# Altium PCB CRIB.PcbDoc (part 1 of 3) (continued)
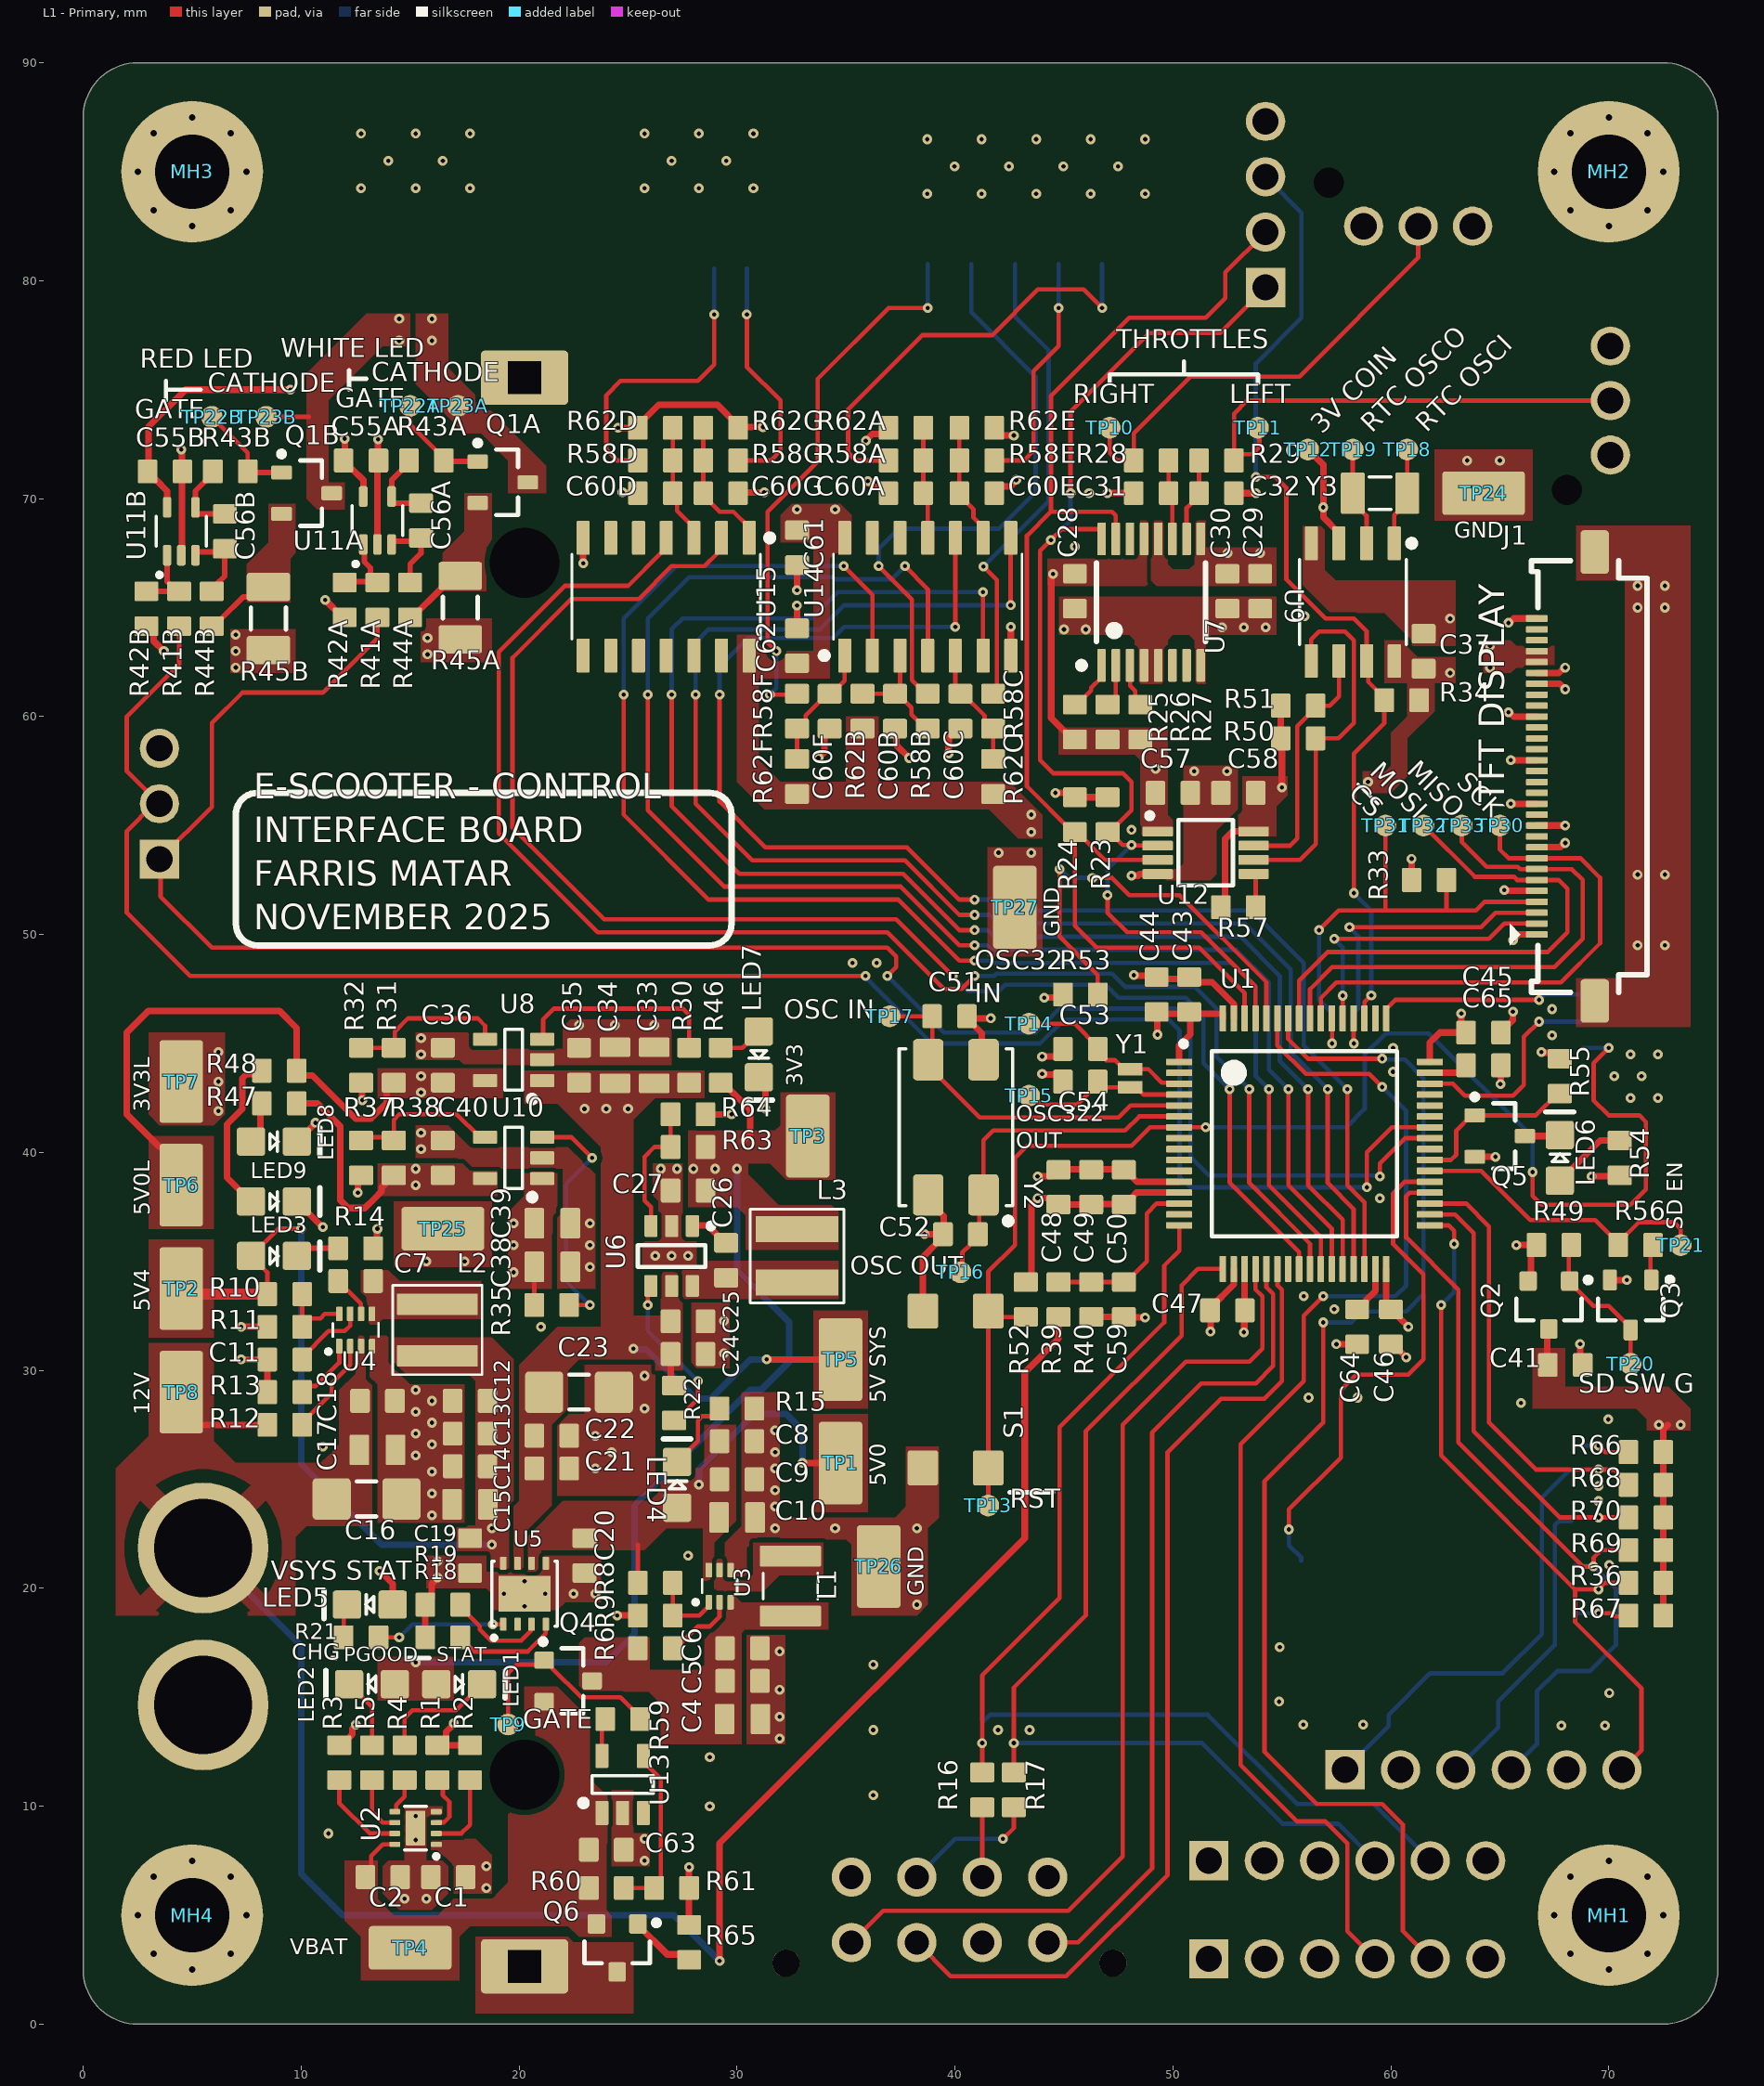
[diagram p0: L1 - Primary view]
## Components (designator, comment, footprint, x,y, rotation, side; value= is the part's Value field where it differs from the comment) (continued)
C59 "CAP_0.1uF_50V_0603" CAP0603 47.75,33.25 r90 top value=0.1μF
C60A "CAP_0.1uF_50V_0603" CAP0603 37.75,70.25 r0 top value=0.1μF (schematic designator C60)
C60B "CAP_0.1uF_50V_0603" CAP0603 37.25,60.25 r90 top value=0.1μF (schematic designator C60)
C60C "CAP_0.1uF_50V_0603" CAP0603 40.25,60.25 r90 top value=0.1μF (schematic designator C60)
C60D "CAP_0.1uF_50V_0603" CAP0603 26.25,70.25 r0 top value=0.1μF (schematic designator C60)
C60E "CAP_0.1uF_50V_0603" CAP0603 41,70.25 r180 top value=0.1μF (schematic designator C60)
C60F "CAP_0.1uF_50V_0603" CAP0603 34.25,60.25 r90 top value=0.1μF (schematic designator C60)
C60G "CAP_0.1uF_50V_0603" CAP0603 29.25,70.25 r180 top value=0.1μF (schematic designator C60)
C61 "CAP_0.1uF_50V_0603" CAP0603 32.75,67.75 r90 top value=0.1μF
C62 "CAP_0.1uF_50V_0603" CAP0603 32.75,63.25 r270 top value=0.1μF
C63 "CAP_0.1uF_50V_0603" CAP0603 24,8 r180 top value=0.1μF
C64 "CAP_2.2uF_25V_0603" CAP0603 58.45,32 r90 top value=2.2μF
C65 "CAP_2.2uF_25V_0603" CAP0603 64.25,44 r180 top value=2.2μF
J1 "CON_MOLEX-FFC_30P_RA" MOLEX_FFC_30P_RA 68.25,57.25 r90 top
J2 "CON_2POS_XT60" XT60 5.5,18.25 r270 bottom
J3 "0430450828" MOLEX-0430450828 39.75,5.25 r0 bottom
J4 "CON_JST_3POS" JST_XH_3POS 61.25,82.5 r180 bottom
J5 "CON_JST_3POS" JST_XH_3POS 70.075,74.5 r270 bottom
J6 "CON_2POS_CR1220" ATECH_COIN_12MM 62.75,58.75 r90 bottom
J7 "CON_MICROSD_MOLEX" MOLEX-5033981892 62.725,21.25 r90 bottom
J8 "CON_2POS_XT90" MPD_18650-PC2 20.25,39.25 r90 bottom
J9 "CON_4M_SM_RA" MOLEX-5025850470 15.25,85.25 r180 bottom
J11 "CON_MOLEX-PICO_5POS_RA" MOLEX-532610571 71,46 r270 bottom
J12 "CON_6M_SM_RA" MOLEX-5024940670 43.75,84.5 r0 bottom
J13 "CON_4M_SM_RA" MOLEX-5025850470 28.25,85.25 r180 bottom
J14 "HEADER 6x1" HDR1X6 58,3 r0 bottom
J15 "HEADER 4x1" HDR1X4 54.25,83.5 r90 bottom
J16 "HEADER 6x1" HDR1X6 64.25,11.675 r0 bottom
J18 "HEADER 6x1" HDR1X6 58,7.5 r0 bottom
J19 "HEADER 3x1" HDR1X3 3.5,56 r90 bottom
L1 "IND_2.2uH_5.4A" IND_1210 32.45,20.1 r90 top
L2 "IND_8.2uH_2.8A" IND_WURTH_1616 16.25,31.85 r270 top value=8.2μH
L3 "IND_5.6uH_5.1A" IND_WURTH_4040 32.75,35.25 r90 top
LED1 "LED_GREEN_0805" LED_0805_GREEN 17.25,15.6 r0 top
LED2 "LED_GREEN_0805" LED_0805_GREEN 13.25,15.6 r180 top
LED3 "LED_GREEN_0805" LED_0805_GREEN 8.75,35.25 r0 top
LED4 "LED_GREEN_0805" LED_0805_GREEN 27.25,24.75 r90 top
LED5 "LED_GREEN_0805" LED_0805_GREEN 13.15,19.25 r180 top
LED6 "LED_GREEN" LED_0805_GREEN 67.75,39.75 r90 top
LED7 "LED_GREEN" LED_0805_GREEN 31,44.5 r270 top
LED8 "LED_GREEN" LED_0805_GREEN 8.75,40.5 r0 top
LED9 "LED_GREEN" LED_0805_GREEN 8.75,37.75 r0 top
MH1 "MOUNTING_HOLE_M3" MOUNTING_HOLE_3mm 70,5 r0 top
MH2 "MOUNTING_HOLE_M3" MOUNTING_HOLE_3mm 70,85 r0 top
MH3 "MOUNTING_HOLE_M3" MOUNTING_HOLE_3mm 5,85 r0 top
MH4 "MOUNTING_HOLE_M3" MOUNTING_HOLE_3mm 5,5 r0 top
Q1A "NMOS_20V_6A" SOT23-3 19.25,70.75 r0 top (schematic designator Q1)
Q1B "NMOS_20V_6A" SOT23-3 10.25,70.25 r0 top (schematic designator Q1)
Q2 "PMOS_20V_3.6A" DIO-INC_SOT23 67.25,33 r270 top
Q3 "NMOS_20V_6A" SOT23-3 71,33 r270 top
Q4 "PMOS_12V_6A" DIO-INC_SOT23 22.25,15.75 r0 top
Q5 "NMOS_20V_6A" SOT23-3 65,40.75 r0 top
Q6 "PMOS_12V_6A" DIO-INC_SOT23 24.5,3.5 r270 top
R1 "RES_10kΩ_0603_1%" RES0603 16.25,12 r270 top value=10kΩ
R2 "RES_604Ω_0603_1%" RES0603 17.75,12 r270 top value=604Ω
R3 "RES_100kΩ_0603_1%" RES0603 11.75,12 r270 top value=100kΩ
R4 "RES_604Ω_0603_1%" RES0603 14.75,12 r90 top value=604Ω
R5 "RES_604Ω_0603_1%" RES0603 13.25,12 r90 top value=604Ω
R6 "RES_10kΩ_0603_1%" RES0603 26.25,17.25 r0 top value=10kΩ
R8 "RES_73.2kΩ_0603_1%" RES0603 26.25,20.25 r180 top value=73.2kΩ
R9 "RES_10kΩ_0603_1%" RES0603 26.25,18.75 r0 top value=10kΩ
R10 "RES_57.6kΩ_0603_1%" RES0603 9.25,33.5 r180 top value=57.6kΩ
R11 "RES_10kΩ_0603_1%" RES0603 9.25,32 r0 top value=10kΩ
R12 "RES_10kΩ_0603_1%" RES0603 9.25,27.5 r0 top value=10kΩ
R13 "RES_20.5kΩ_0603_1%" RES0603 9.25,29 r0 top value=20.5kΩ
R14 "RES_1.2kΩ_0603_1%" RES0603 12.5,35.6 r180 top value=1.2kΩ
R15 "RES_1.2kΩ_0603_1%" RES0603 30,28.25 r180 top value=1.2kΩ
R16 "RES_0Ω_0603" RES0603 41.25,10.75 r270 top value=0Ω
R17 "RES_0Ω_0603" RES0603 42.7,10.75 r270 top value=0Ω
R18 "RES_249Ω_0603_1%" RES0603 16.5,17.75 r0 top value=249Ω
R19 "RES_10kΩ_0603_1%" RES0603 16.5,19.25 r0 top value=10kΩ
R21 "RES_1.2kΩ_0603_1%" RES0603 12.75,17.75 r180 top value=1.2kΩ
R22 "RES_10kΩ_0603_1%" RES0603 27.113,28.5 r270 top value=10kΩ
R23 "RES_5.1kΩ_0603_1%" RES0603 47,55.5 r90 top value=5.1kΩ
R24 "RES_5.1kΩ_0603_1%" RES0603 45.5,55.5 r90 top value=5.1kΩ
R25 "RES_0Ω_0603" RES0603 45.5,59.75 r90 top value=0Ω
R26 "RES_0Ω_0603" RES0603 47,59.75 r90 top value=0Ω
R27 "RES_10kΩ_0603_1%" RES0603 48.5,59.75 r90 top value=10kΩ
R28 "RES_100Ω_0603_1%" RES0603 49,71.75 r0 top value=100Ω
R29 "RES_100Ω_0603_1%" RES0603 52,71.75 r180 top value=100Ω
R30 "RES_10kΩ_0603_1%" RES0603 27.8,44 r90 top value=10kΩ
R31 "RES_80.6kΩ_0603_1%" RES0603 14.25,44 r270 top value=80.6kΩ
R32 "RES_10kΩ_0603_1%" RES0603 12.75,44 r90 top value=10kΩ
R33 "RES_10kΩ_0603_1%" RES0603 61.75,52.5 r180 top value=10kΩ
R34 "RES_5.1kΩ_0603_1%" RES0603 60.5,60.75 r0 top value=5.1kΩ
R35 "RES_10kΩ_0603_1%" RES0603 21.5,33 r0 top value=10kΩ
R36 "RES_10kΩ_0603_1%" RES0603 71.7,20.25 r0 top value=10kΩ
R37 "RES_10kΩ_0603_1%" RES0603 12.75,39.75 r90 top value=10kΩ
R38 "RES_49.9kΩ_0603_1%" RES0603 14.25,39.75 r270 top value=49.9kΩ
R39 "RES_71.5kΩ_0603_1%" RES0603 44.75,33.25 r270 top value=71.5kΩ
R40 "RES_24.9kΩ_0603_1%" RES0603 46.25,33.25 r90 top value=24.9kΩ
R41A "RES_100kΩ_0603_1%" RES0603 13.5,65.35 r90 top value=100kΩ (schematic designator R41)
R41B "RES_100kΩ_0603_1%" RES0603 4.4,64.95 r90 top value=100kΩ (schematic designator R41)
R42A "RES_10kΩ_0603_1%" RES0603 12,65.35 r90 top value=10kΩ (schematic designator R42)
R42B "RES_10kΩ_0603_1%" RES0603 2.9,64.95 r90 top value=10kΩ (schematic designator R42)
R43A "RES_100Ω_0603_1%" RES0603 15.75,71.75 r0 top value=100Ω (schematic designator R43)
R43B "RES_100Ω_0603_1%" RES0603 6.75,71.25 r0 top value=100Ω (schematic designator R43)
R44A "RES_1kΩ_0603_1%" RES0603 15,65.35 r270 top value=1kΩ (schematic designator R44)
R44B "RES_1kΩ_0603_1%" RES0603 5.9,64.95 r270 top value=1kΩ (schematic designator R44)
R45A "RES_1.5Ω_1206_1%" RES1206 17.3,65 r90 top value=1.5Ω (schematic designator R45)
R45B "RES_1.5Ω_1206_1%" RES1206 8.5,64.5 r90 top value=1.5Ω (schematic designator R45)
R46 "RES_604Ω_0603_1%" RES0603 29.25,44 r270 top value=604Ω
R47 "RES_604Ω_0603_1%" RES0603 9,42.25 r180 top value=604Ω
R48 "RES_1.2kΩ_0603_1%" RES0603 9,43.75 r0 top value=1.2kΩ
R49 "RES_10kΩ_0603_1%" RES0603 67.475,35.75 r180 top value=10kΩ
R50 "RES_5.1kΩ_0603_1%" RES0603 55.75,59 r180 top value=5.1kΩ
R51 "RES_5.1kΩ_0603_1%" RES0603 55.75,60.5 r180 top value=5.1kΩ
R52 "RES_10kΩ_0603_1%" RES0603 43.25,33.25 r270 top value=10kΩ
R53 "RES_10kΩ_0603_1%" RES0603 45.75,47.25 r0 top value=10kΩ
R54 "RES_604Ω_0603_1%" RES0603 70.5,39.75 r270 top value=604Ω
R55 "RES_10kΩ_0603_1%" RES0603 67.75,43.5 r270 top value=10kΩ
R56 "RES_1kΩ_0603_1%" RES0603 71.225,35.75 r0 top value=1kΩ
R57 "RES_10kΩ_0603_1%" RES0603 53,51.25 r0 top value=10kΩ
R58A "RES_1kΩ_0603_1%" RES0603 37.75,71.75 r0 top value=1kΩ (schematic designator R58)
R58B "RES_1kΩ_0603_1%" RES0603 38.75,60.25 r270 top value=1kΩ (schematic designator R58)
R58C "RES_1kΩ_0603_1%" RES0603 41.75,60.25 r270 top value=1kΩ (schematic designator R58)
R58D "RES_1kΩ_0603_1%" RES0603 26.25,71.75 r0 top value=1kΩ (schematic designator R58)
R58E "RES_1kΩ_0603_1%" RES0603 41,71.75 r180 top value=1kΩ (schematic designator R58)
R58F "RES_1kΩ_0603_1%" RES0603 32.75,60.25 r270 top value=1kΩ (schematic designator R58)
R58G "RES_1kΩ_0603_1%" RES0603 29.25,71.75 r180 top value=1kΩ (schematic designator R58)
R59 "RES_1kΩ_0603_1%" RES0603 24.75,14 r0 top value=1kΩ
R60 "RES_5.6MΩ_0603_1%" RES0603 24,6.25 r180 top value=5.6MΩ
R61 "RES_1.05MΩ_0603_1%" RES0603 27,6.25 r180 top value=1.05MΩ
R62A "RES_47kΩ_0603_1%" RES0603 37.75,73.25 r180 top value=47kΩ (schematic designator R62)
R62B "RES_47kΩ_0603_1%" RES0603 35.75,60.25 r270 top value=47kΩ (schematic designator R62)
R62C "RES_47kΩ_0603_1%" RES0603 41.75,57.25 r270 top value=47kΩ (schematic designator R62)
R62D "RES_47kΩ_0603_1%" RES0603 26.25,73.25 r180 top value=47kΩ (schematic designator R62)
R62E "RES_47kΩ_0603_1%" RES0603 41,73.25 r0 top value=47kΩ (schematic designator R62)
R62F "RES_47kΩ_0603_1%" RES0603 32.75,57.25 r270 top value=47kΩ (schematic designator R62)
R62G "RES_47kΩ_0603_1%" RES0603 29.25,73.25 r0 top value=47kΩ (schematic designator R62)
R63 "RES_22.1kΩ_0603_1%" RES0603 27.75,40.25 r0 top value=22.1kΩ
R64 "RES_69.8kΩ_0603_1%" RES0603 27.75,41.75 r180 top value=69.8kΩ
R65 "RES_10kΩ_0603_1%" RES0603 27.8,3.75 r270 top value=10kΩ
R66 "RES_47kΩ_0603_1%" RES0603 71.7,26.25 r180 top value=47kΩ
R67 "RES_47kΩ_0603_1%" RES0603 71.7,18.75 r180 top value=47kΩ
R68 "RES_47kΩ_0603_1%" RES0603 71.7,24.75 r0 top value=47kΩ
R69 "RES_47kΩ_0603_1%" RES0603 71.7,21.75 r0 top value=47kΩ
R70 "RES_47kΩ_0603_1%" RES0603 71.7,23.25 r0 top value=47kΩ
S1 "SW_SPST_NO_4.5x4.5" SPST_PUSHBUTTON_TL3305AF260QG 40.026,29.12 r90 top
TP1 "TESTPOINT_KEYSTONE_LOOP" KEYSTONE_5019 34.75,25.75 r270 top
TP2 "TESTPOINT_KEYSTONE_LOOP" KEYSTONE_5019 4.5,33.75 r90 top
TP3 "TESTPOINT_KEYSTONE_LOOP" KEYSTONE_5019 33.25,40.75 r90 top
TP4 "TESTPOINT_KEYSTONE_LOOP" KEYSTONE_5019 15,3.5 r0 top
TP5 "TESTPOINT_KEYSTONE_LOOP" KEYSTONE_5019 34.75,30.5 r90 top
TP6 "TESTPOINT_KEYSTONE_LOOP" KEYSTONE_5019 4.5,38.5 r90 top
TP7 "TESTPOINT_KEYSTONE_LOOP" KEYSTONE_5019 4.5,43.25 r90 top
TP8 "TESTPOINT_KEYSTONE_LOOP" KEYSTONE_5019 4.5,29 r90 top
TP9 "TESTPOINT_1MM_CIRCLE" TESTPOINT_CIRCLE_1MM 19.5,13.75 r90 top
TP10 "TESTPOINT_1MM_CIRCLE" TESTPOINT_CIRCLE_1MM 47.1,73.25 r90 top
TP11 "TESTPOINT_1MM_CIRCLE" TESTPOINT_CIRCLE_1MM 53.9,73.25 r90 top
TP12 "TESTPOINT_1MM_CIRCLE" TESTPOINT_CIRCLE_1MM 56.2,72.25 r90 top
TP13 "TESTPOINT_1MM_CIRCLE" TESTPOINT_CIRCLE_1MM 41.526,23.8 r90 top
TP14 "TESTPOINT_1MM_CIRCLE" TESTPOINT_CIRCLE_1MM 43.4,45.9 r90 top
TP15 "TESTPOINT_1MM_CIRCLE" TESTPOINT_CIRCLE_1MM 43.4,42.6 r90 top
TP16 "TESTPOINT_1MM_CIRCLE" TESTPOINT_CIRCLE_1MM 40.25,34.5 r90 top
TP17 "TESTPOINT_1MM_CIRCLE" TESTPOINT_CIRCLE_1MM 37,46.25 r90 top
TP18 "TESTPOINT_1MM_CIRCLE" TESTPOINT_CIRCLE_1MM 60.75,72.25 r0 top
TP19 "TESTPOINT_1MM_CIRCLE" TESTPOINT_CIRCLE_1MM 58.25,72.25 r0 top
TP20 "TESTPOINT_1MM_CIRCLE" TESTPOINT_CIRCLE_1MM 71,30.3 r90 top
TP21 "TESTPOINT_1MM_CIRCLE" TESTPOINT_CIRCLE_1MM 73.3,35.75 r90 top
TP22A "TESTPOINT_1MM_CIRCLE" TESTPOINT_CIRCLE_1MM 15,74.25 r90 top (schematic designator TP22)
TP22B "TESTPOINT_1MM_CIRCLE" TESTPOINT_CIRCLE_1MM 5.9,73.75 r90 top (schematic designator TP22)
TP23A "TESTPOINT_1MM_CIRCLE" TESTPOINT_CIRCLE_1MM 17.2,74.25 r90 top (schematic designator TP23)
TP23B "TESTPOINT_1MM_CIRCLE" TESTPOINT_CIRCLE_1MM 8.4,73.75 r90 top (schematic designator TP23)
TP24 "TESTPOINT_KEYSTONE_LOOP" KEYSTONE_5019 64.25,70.25 r180 top
TP25 "TESTPOINT_KEYSTONE_LOOP" KEYSTONE_5019 16.5,36.5 r180 top
TP26 "TESTPOINT_KEYSTONE_LOOP" KEYSTONE_5019 36.5,21 r270 top
TP27 "TESTPOINT_KEYSTONE_LOOP" KEYSTONE_5019 42.75,51.25 r270 top
TP30 "TESTPOINT_1MM_CIRCLE" TESTPOINT_CIRCLE_1MM 65,55 r90 top
TP31 "TESTPOINT_1MM_CIRCLE" TESTPOINT_CIRCLE_1MM 59.75,55 r90 top
TP32 "TESTPOINT_1MM_CIRCLE" TESTPOINT_CIRCLE_1MM 61.5,55 r90 top
TP33 "TESTPOINT_1MM_CIRCLE" TESTPOINT_CIRCLE_1MM 63.25,55 r90 top
U1 "STM32F405RGT6" STM_LQFP64 56.038,40.404 r0 top
U2 "BQ25170JDSGR" TI_8-WSON 15.25,9 r180 top
U3 "TPS61023DRLR" TI_SOT-563 29.2,20.1 r90 top
U4 "TPS62933DRLR" TI_SOT-583 12.5,31.85 r90 top
U5 "TPS2115ADRBR" TI_8-VSON 20.25,19.75 r90 top
U6 "LMR54410DBVR" SOT23-6 27,35.25 r270 top
U7 "ADS1119IPWR" TI_16-TSSOP 49.001,65.25 r90 top
U8 "TLV75801PDBVR" TI_SOT23-5 19.75,44.25 r180 top
U9 "BQ32000DR" TI_8-SOIC 58.25,65.25 r270 top
U10 "TLV75801PDBVR" TI_SOT23-5 19.75,39.75 r180 top
U11A "OPA376AIDCKR" TI_SC-70-5 13.5,69 r90 top (schematic designator U11)
U11B "OPA376AIDCKR" TI_SC-70-5 4.5,68.5 r90 top (schematic designator U11)
U12 "TCA9517ADGKR" TI_8-VSSOP 51.5,53.75 r0 top
U13 "TLV4051R5DBVR" TI_SOT23-5 24.75,11 r90 top
U14 "SN74HC14DR" TI_14-SOIC 38.75,65.5 r90 top
U15 "SN74HC14DR" TI_14-SOIC 26.75,65.5 r270 top
Y1 "CRYSTAL_32.768KHZ" OSC_ECS-327TR-2 48.038,43.404 r270 top
Y2 "CRYSTAL_8MHZ_8PF" XTAL_WURTH_830059082 40.038,41.154 r90 top
Y3 "CRYSTAL_32.768KHZ_ABRACON" OSC_ABS07 59.5,70.25 r180 top

## Footprints (in the part's own frame and the unit in brackets; to place one, negate y for a bottom-side part, rotate by r counter-clockwise, add the part's x,y. Pads: shape width x height; smd on the part's side, far side on the other; paste and mask are expansions set on the pad)
ATECH_COIN_12MM [mm]
  rrect15% 4.18x3.9 smd: 1(-8.45,-0.1) 1(8.45,-0.1)
  round 5 smd: 2(0,0)
  silkscreen extent -6.5,-7 6.5,5, body extent -9.5,-7 9.5,5, height 3.17
CAP0603 [mm]
  rrect20% 0.9x1.1 smd: 1(-0.8,0) 2(0.8,0)
  body extent -0.88,-0.48 0.87,0.47, height 0.87
CAP0805 [mm] "Chip Capacitor, Body 2.0x1.2mm, Height 0.45mm, IPC Medium Density"
  rrect15% 0.9x1.4 smd: 1(-0.825,0) 2(0.825,0)
  body extent -1.1,-0.73 1.1,0.72, height 1.39
CAP1206 [mm] "Chip Capacitor, Body 3.2x1.6mm, Height 0.55mm, IPC Medium Density"
  rrect20% 1.75x1.9 smd: 1(-1.6,0) 2(1.6,0)
  silkscreen extent -0.45,-0.8 0.45,0.8, body extent -1.7,-0.9 1.7,0.9, height 0.88
DIO-INC_SOT23 [mm]
  rrect25% 0.9x0.8 smd: 1(-1.1,0.95) 2(-1.1,-0.95) 3(1.1,0)
  silkscreen extent -1.27,-1.5 0.7,1.93, body extent -1.3,-1.5 1.3,1.5, height 1.1
HDR1X3 [mm] "Connector; Header; 3 Position"
  rect 1.8x1.8 hole 1.2: 1(-2.54,0)
  round 1.8 hole 1.2: 2(0,0) 3(2.54,0)
  silkscreen extent -3.81,-2.6 3.81,1.27, body extent -3.81,-1.27 3.81,1.27, height 8.57
HDR1X4 [mm] "Connector; Header; 4 Position"
  rect 1.8x1.8 hole 1.2: 1(-3.81,0)
  round 1.8 hole 1.2: 2(-1.27,0) 3(1.27,0) 4(3.81,0)
  silkscreen extent -5.08,-2.6 5.08,1.27, body extent -5.08,-1.27 5.08,1.27, height 8.55
HDR1X6 [mm] "Connector; Header; 6 Position"
  rect 1.8x1.8 hole 1.2: 1(-6.35,0)
  round 1.8 hole 1.2: 2(-3.81,0) 3(-1.27,0) 4(1.27,0) 5(3.81,0) 6(6.35,0)
  silkscreen extent -7.62,-2.6 7.62,1.27, body extent -7.62,-1.27 7.62,1.27, height 8.57
IND_1210 [mm]
  rrect10% 0.95x2.8 smd: 1(-1.375,0) 2(1.375,0)
  silkscreen extent -0.6,-1.25 0.6,1.25, body extent -1.7,-1.35 1.7,1.35, height 1.98
IND_WURTH_1616 [mm]
  rrect5% 0.98x3.7 smd mask+0.05: 1(-1.185,0) 2(1.185,0)
  silkscreen extent -2.05,-2.05 2.05,2.05, body extent -2.05,-2.05 2.05,2.05, height 3.1
IND_WURTH_4040 [mm]
  rrect5% 1.2x3.8 smd mask+0.05: 1(-1.225,0) 2(1.225,0)
  silkscreen extent -2.15,-2.15 2.15,2.15, body extent -2.15,-2.15 2.15,2.15, height 4.1
JST_XH_3POS [mm]
  round 1.2 hole 1.4 unplated: 0(4.1,2)
  round 1.8 hole 1.2: 1(2.5,0) 2(0,0) 3(-2.5,0)
  silkscreen extent -4.95,-3.37 4.95,3.5, body extent -4.95,-3.37 4.95,2.38, height 7
KEYSTONE_5019 [mm] "PC TEST POINT MINIATURE"
  rrect15% 3.8x2 smd: 1(0,0)
  body extent -1.91,-1.01 1.91,1.01, height 2.28
LED_0805_GREEN [mm] "SMD, 2-Leads, Body 2x1.25mm"
  rrect20% 1.3x1.3 smd: 1(-1.05,0) 2(1.05,0)
  silkscreen extent -0.18,-0.64 2.11,0.64, body extent -1,-0.62 1,0.63, height 1.12
MOLEX-0430450828 [mm]
  round 1.8 hole 1.1: 1(4.5,-1.5) 2(1.5,-1.5) 3(-1.5,-1.5) 4(-4.5,-1.5) 5(4.5,1.5) 6(1.5,1.5) 7(-1.5,1.5) 8(-4.5,1.5)
  round 1.25 hole 1.25 unplated mask+0.05: MH1(-7.5,2.45) MH2(7.5,2.45)
  silkscreen extent -8.3,-6 8.3,3.6, body extent -8.08,-3.94 8.08,4.83, height 9.9
MOLEX-532610571 [mm]
  rrect10% 2.1x3 smd: 0(-5.05,-0.661) 0(5.05,-0.661)
  rrect15% 0.8x1.6 smd: 1(-2.5,2.239) 2(-1.25,2.239) 3(0,2.239) 4(1.25,2.239) 5(2.5,2.239)
  silkscreen extent -4,-2.5 4,3.7, body extent -5.7,-2.5 5.7,2.7, height 3.4
MOLEX-5024940670 [mm] "Molex 5024940670 6 pin 2mm pitch SMD RA connector"
  rrect15% 2.2x4 smd: 0(-7.35,-0.611) 0(7.35,-0.611)
  rrect15% 1.15x2.8 smd: 1(-5,3.739) 2(-3,3.739) 3(-1,3.739) 4(1,3.739) 5(3,3.739) 6(5,3.739)
  silkscreen extent -8,-3.93 8,5.19, body extent -8,-3.93 8,4.57, height 6.91
MOLEX-5025850470 [mm] "CLIK-Mate, Surface Mount, Right Angle, 1.5mm pitch"
  rrect15% 1.9x4 smd: 0(-4.825,0.12) 0(4.975,0.12)
  rrect15% 0.9x3 smd: 1(2.3,-4.7) 2(0.8,-4.7) 3(-0.7,-4.7) 4(-2.2,-4.7)
  silkscreen extent -5.1,-6.3 5.37,3.3, body extent -5.15,-5.32 5.15,3.18, height 6.41
MOLEX-5033981892 [mm]
  rrect15% 0.7x1.1 smd mask+0.05: 1(-2.4,5.7) 2(-1.3,5.7) 3(-0.2,5.7) 4(0.9,5.7) 5(2,5.7) 6(3.1,5.7) 7(4.2,5.7) 8(5.3,5.7)
  rrect15% 1.05x0.78 smd mask+0.05: 9(0.025,-6.84)
  rrect15% 0.7x3.33 smd mask+0.05: 10(-6.5,-5.565) 10(6.46,-5.565)
  rrect15% 1.14x1.83 smd mask+0.05: 10(-6.28,5.685)
  rrect15% 0.9x0.93 smd mask+0.05: 10(-4.19,-6.765)
  rrect15% 0.86x2.8 smd mask+0.05: 10(6.38,5.2)
  L1 - Primary keep-out region: -6.85,1.2 -6.15,1.2 -6.15,-1.2 -6.85,-1.2
  L1 - Primary keep-out region: -5.255,-6.65 -5.255,-4.5 -5.245,-4.49 -4.715,-4.49 -4.715,-6.65
  L1 - Primary keep-out region: -3.24,-6.3 -2.69,-6.3 -2.69,-6.85 -3.24,-6.85
  L1 - Primary keep-out region: 6.81,3.8 6.81,-3.9 6.11,-3.9 6.11,-6.45 -0.5,-6.45 -0.5,-7.23 -1.8,-7.23 -1.8,-5.05 -0.5,-5.05 -0.5,-3.8 -3.86,-3.8 -3.86,-1.2 -3.2,-1.2 -3.2,3.8
  silkscreen extent -6.55,-7 6.55,7.05, body extent -6.55,-7 6.55,7.05, height 1.33
MOLEX_FFC_30P_RA [mm]
  rrect25% 2x1.3 smd: 0(-10.3,-1.1) 0(10.3,-1.1)
  rrect25% 0.3x1 smd mask+0.05: 1(-7.25,1.55) 2(-6.75,1.55) 3(-6.25,1.55) 4(-5.75,1.55) 5(-5.25,1.55) 6(-4.75,1.55) 7(-4.25,1.55) 8(-3.75,1.55) 9(-3.25,1.55) 10(-2.75,1.55) 11(-2.25,1.55) 12(-1.75,1.55) 13(-1.25,1.55) 14(-0.75,1.55) 15(-0.25,1.55) 16(0.25,1.55) 17(0.75,1.55) 18(1.25,1.55) 19(1.75,1.55) 20(2.25,1.55) 21(2.75,1.55) 22(3.25,1.55) 23(3.75,1.55) 24(4.25,1.55) 25(4.75,1.55) 26(5.25,1.55) 27(5.75,1.55) 28(6.25,1.55) 29(6.75,1.55) 30(7.25,1.55)
  silkscreen extent -9.9,-3.5 9.9,2.8, body extent -10.25,-3.5 10.25,1.8, height 1.88
MOUNTING_HOLE_3mm [mm] "3mm Hole"
  round 6.5 hole 3.4: 0(0,0)
MPD_18650-PC2 [mm]
  round 0 hole 3.2 unplated: 0(-27.805,0) 0(27.805,0)
  rrect15% 2.5x4 hole 1.5 square: 1(-36.6,0) 2(36.3,0)
  silkscreen extent -38.48,-10.49 38.48,14.5, body extent -38.48,-10.49 38.48,10.49, height 21.46
OSC_ABS07 [mm]
  rrect15% 1.1x1.9 smd mask+0.05: 1(-1.25,0) 2(1.25,0)
  silkscreen extent -0.5,-0.75 0.5,0.75, body extent -1.6,-0.75 1.6,0.75, height 0.9
OSC_ECS-327TR-2 [mm]
  rrect15% 0.575x1.14 smd mask+0.05: 1(-0.413,0) 2(0.413,0)
  body extent -0.6,-0.5 0.6,0.5, height 0.35
RES0603 [mm] "Chip Resistor, Body 1.6x0.8mm, IPC Medium Density"
  rrect15% 0.9x1.1 smd: 1(-0.8,0) 2(0.8,0)
  body extent -0.8,-0.4 0.8,0.4, height 0.46
RES1206 [mm] "Chip Resistor, Body 3.2x1.6mm, IPC Medium Density"
  rrect20% 1.3x2 smd: 1(-1.45,0) 2(1.45,0)
  silkscreen extent -0.5,-0.8 0.5,0.8, body extent -1.6,-0.8 1.6,0.8, height 0.61
SOT23-3 [mm] "SOT23, 3-Leads, Body 2.90x2.30mm, Pitch 0.95mm, IPC Medium Density"
  rrect25% 0.95x0.65 smd: 1(-1.15,0.95) 2(-1.15,-0.95) 3(1.15,0)
  silkscreen extent -1.27,-1.5 0.7,1.92, body extent -1.3,-1.5 1.3,1.5, height 1.1
SOT23-6 [mm] "SOT23, 6-Leads, Body 3.05x1.75mm, Pitch 0.95mm, IPC Medium Density"
  rrect17% 1x0.6 smd: 1(-1.375,0.95) 2(-1.375,0) 3(-1.375,-0.95) 4(1.375,-0.95) 5(1.375,0) 6(1.375,0.95)
  silkscreen extent -1.5,-1.55 0.5,1.93, body extent -1.43,-1.48 1.43,1.49, height 0.9
SPST_PUSHBUTTON_TL3305AF260QG [mm]
  rrect15% 1.6x1.4 smd: 1(-3.6,-1.5) 2(3.6,-1.5) 3(-3.6,1.5) 4(3.6,1.5)
  body extent -3.75,-2.25 3.75,2.25, height 3.7
STM_LQFP64 [mm] "Thin QFP, 64-Leads, Body 10x10mm, Pitch 0.5mm, IPC Medium Density"
  rrect25% 1.2x0.3 smd mask+0.05: 1(-5.75,3.75) 2(-5.75,3.25) 3(-5.75,2.75) 4(-5.75,2.25) 5(-5.75,1.75) 6(-5.75,1.25) 7(-5.75,0.75) 8(-5.75,0.25) 9(-5.75,-0.25) 10(-5.75,-0.75) 11(-5.75,-1.25) 12(-5.75,-1.75) 13(-5.75,-2.25) 14(-5.75,-2.75) 15(-5.75,-3.25) 16(-5.75,-3.75) 33(5.75,-3.75) 34(5.75,-3.25) 35(5.75,-2.75) 36(5.75,-2.25) 37(5.75,-1.75) 38(5.75,-1.25) 39(5.75,-0.75) 40(5.75,-0.25) 41(5.75,0.25) 42(5.75,0.75) 43(5.75,1.25) 44(5.75,1.75) 45(5.75,2.25) 46(5.75,2.75) 47(5.75,3.25) 48(5.75,3.75)
  rrect25% 0.3x1.2 smd mask+0.05: 17(-3.75,-5.75) 18(-3.25,-5.75) 19(-2.75,-5.75) 20(-2.25,-5.75) 21(-1.75,-5.75) 22(-1.25,-5.75) 23(-0.75,-5.75) 24(-0.25,-5.75) 25(0.25,-5.75) 26(0.75,-5.75) 27(1.25,-5.75) 28(1.75,-5.75) 29(2.25,-5.75) 30(2.75,-5.75) 31(3.25,-5.75) 32(3.75,-5.75) 49(3.75,5.75) 50(3.25,5.75) 51(2.75,5.75) 52(2.25,5.75) 53(1.75,5.75) 54(1.25,5.75) 55(0.75,5.75) 56(0.25,5.75) 57(-0.25,5.75) 58(-0.75,5.75) 59(-1.25,5.75) 60(-1.75,5.75) 61(-2.25,5.75) 62(-2.75,5.75) 63(-3.25,5.75) 64(-3.75,5.75)
  silkscreen extent -5.67,-4.25 4.25,4.7, body extent -6,-6 6,6, height 1.6
TESTPOINT_CIRCLE_1MM [mm]
  round 1 smd paste-2539.97: 1(0,0)
TI_8-SOIC [mm]
  rrect16% 1.55x0.6 smd mask+0.07: 1(-2.7,1.905) 2(-2.7,0.635) 3(-2.7,-0.635) 4(-2.7,-1.905) 5(2.7,-1.905) 6(2.7,-0.635) 7(2.7,0.635) 8(2.7,1.905)
  silkscreen extent -2.85,-2.45 1.95,2.85, body extent -3,-2.45 3,2.45, height 1.75
TI_8-VSON [mm]
  rrect33% 0.6x0.3 smd mask+0.05: 1(-1.4,0.975) 2(-1.4,0.325) 3(-1.4,-0.325) 4(-1.4,-0.975) 5(1.4,-0.975) 6(1.4,-0.325) 7(1.4,0.325) 8(1.4,0.975)
  rrect6% 1.65x2.4 smd paste-2539.97 mask+0.05: 9(0,0)
  silkscreen extent -2.12,-1.5 1.5,1.5, body extent -1.5,-1.5 1.5,1.5, height 1
TI_8-VSSOP [mm]
  rrect22% 1.4x0.45 smd mask+0.05: 1(-2.2,0.975) 2(-2.2,0.325) 3(-2.2,-0.325) 4(-2.2,-0.975) 5(2.2,-0.975) 6(2.2,-0.325) 7(2.2,0.325) 8(2.2,0.975)
  silkscreen extent -2.69,-1.5 1.25,1.83, body extent -2.45,-1.5 2.45,1.5, height 1.1
TI_8-WSON [mm]
  rrect40% 0.5x0.25 smd mask+0.05: 1(-0.95,0.75) 2(-0.95,0.25) 3(-0.95,-0.25) 4(-0.95,-0.75) 5(0.95,-0.75) 6(0.95,-0.25) 7(0.95,0.25) 8(0.95,0.75)
  rrect11% 0.9x1.6 smd paste-2539.97 mask+0.05: 9(0,0)
  silkscreen extent -1.05,-1 0.5,1.4, body extent -1,-1 1,1, height 0.8
TI_14-SOIC [mm]
  rrect16% 1.55x0.6 smd mask+0.07: 1(-2.7,3.81) 2(-2.7,2.54) 3(-2.7,1.27) 4(-2.7,0) 5(-2.7,-1.27) 6(-2.7,-2.54) 7(-2.7,-3.81) 8(2.7,-3.81) 9(2.7,-2.54) 10(2.7,-1.27) 11(2.7,0) 12(2.7,1.27) 13(2.7,2.54) 14(2.7,3.81)
  silkscreen extent -2.85,-4.33 1.95,4.9, body extent -3,-4.33 3,4.33, height 1.75
TI_16-TSSOP [mm]
  rrect25% 1.5x0.4 smd mask+0.05: 1(-2.9,2.275) 2(-2.9,1.625) 3(-2.9,0.975) 4(-2.9,0.325) 5(-2.9,-0.325) 6(-2.9,-0.975) 7(-2.9,-1.625) 8(-2.9,-2.275) 9(2.9,-2.275) 10(2.9,-1.625) 11(2.9,-0.975) 12(2.9,-0.325) 13(2.9,0.325) 14(2.9,0.975) 15(2.9,1.625) 16(2.9,2.275)
  silkscreen extent -3.05,-2.5 1.8,3.35, body extent -3.2,-2.5 3.2,2.5, height 1.13
TI_SC-70-5 [mm]
  rrect50% 0.95x0.4 smd mask+0.05: 1(-1.1,0.65) 2(-1.1,0) 3(-1.1,-0.65) 4(1.1,-0.65) 5(1.1,0.65)
  silkscreen extent -2.1,-1.16 0.68,1.16, body extent -1.05,-1 1.05,1, height 1.1
TI_SOT23-5 [mm]
  rrect15% 1.1x0.6 smd mask+0.07: 1(-1.31,0.95) 2(-1.31,0) 3(-1.31,-0.95) 4(1.31,-0.95) 5(1.31,0.95)
  silkscreen extent -0.99,-1.4 0.4,1.94, body extent -1.4,-1.45 1.4,1.45, height 1.2
TI_SOT-563 [mm]
  rrect33% 0.67x0.3 smd mask+0.05: 1(-0.74,0.5) 2(-0.74,0) 3(-0.74,-0.5) 4(0.74,-0.5) 5(0.74,0) 6(0.74,0.5)
  silkscreen extent -0.84,-0.8 0.3,1.2, body extent -0.8,-0.8 0.8,0.8, height 0.6
TI_SOT-583 [mm]
  rrect33% 0.67x0.3 smd mask+0.05: 1(-0.74,0.75) 2(-0.74,0.25) 3(-0.74,-0.25) 4(-0.74,-0.75) 5(0.74,-0.75) 6(0.74,-0.25) 7(0.74,0.25) 8(0.74,0.75)
  silkscreen extent -1.09,-1.05 0.3,1.35, body extent -0.8,-1.05 0.8,1.05, height 0.6
XT60 [mm]
  round 6 hole 4.5: 1(-3.6,0) 2(3.6,0)
  silkscreen extent -8.2,-4.3 8.2,4.3, body extent -7.97,-4.06 7.97,4.06, height 16.88
XTAL_WURTH_830059082 [mm]
  rrect25% 1.9x1.4 smd mask+0.05: 1(-3.1,-1.27) 2(3.1,-1.27) 3(3.1,1.27) 4(-3.1,1.27)
  silkscreen extent -4.45,-2.6 3.6,2.6, body extent -3.5,-2.5 3.5,2.5, height 1.4

## Part data
C1 C2 C22: "CAP CER 1UF 25V X5R 0603", Dielectric=X5R, Manufacturer 1=Samsung, Manufacturer Part Number 1=CL10A105KA8NNNC, Package=0603, Supplier Part Number 1=1276-1102-1-ND, Voltage Rating=25V, Mounting Type=SMD, Supplier 1=Digi-Key
C4 C10 C33 C38: "CAP CER 10UF 16V X5R 0805", Dielectric=X5R, Manufacturer 1=Yageo, Manufacturer Part Number 1=CC0805KKX5R7BB106, Package/Footprint=0805, Supplier Part Number 1=311-1865-1-ND, Voltage Rating=16V, Mounting Type=SMD, Supplier 1=Digi-Key
C5 C9 C37 C48: "CAP CER 1UF 16V X7R 0603", Dielectric=X7R, Manufacturer 1=Yageo, Manufacturer Part Number 1=CC0603KPX7R7BB105, Package=0603, Supplier Part Number 1=13-CC0603KPX7R7BB105CT-ND, Voltage Rating=16V, Mounting Type=SMD, Supplier 1=Digi-Key
C6 C7 C8 C18 C25 C26 C31 C32 C35 C55A C55B C59 C60A C60B C60C C60D C60E C60F C60G C61 C62 C63: "CAP CER 0.1UF 50V X7R 0603", Dielectric=X7R, Manufacturer 1=Yageo, Manufacturer Part Number 1=CC0603KRX7R9BB104, Package/Footprint=0603, Supplier Part Number 1=311-1344-1-ND, Voltage Rating=50V, Mounting Type=SMD, Supplier 1=Digi-Key
C11: "CAP CER 0.033UF 50V X7R 0603", Capacitance=33nF, Manufacturer="Samsung Electro-Mechanics", Manufacturer Part Number=CL10B333KB8NFNC, Package=0603, Rated DC Voltage (URdc)=50V, Supplier Part Number 1=1276-2040-1-ND, Temperature Characteristics Code=X7R, Mounting Type="Surface Mount", Supplier 1=Digi-Key
C12 C19 C20 C21 C28 C29 C30 C44 C45 C46 C47 C49 C57 C58: "CAP CER 0.1UF 16V X7R 0603", Dielectric=X7R, Manufacturer 1=Yageo, Manufacturer Part Number 1=CC0603KRX7R7BB104, Package=0603, Supplier Part Number 1=311-1088-1-ND, Voltage Rating=16V, Supplier 1=Digi-Key
C13 C24 C36 C40 C64 C65: "CAP CER 2.2UF 25V X5R 0603", Dielectric=5, Manufacturer 1="TDK Corporation", Manufacturer Part Number 1=C1608X5R1E225K080AB, Supplier Part Number 1=445-5964-1-ND, Voltage Rating=25V, Supplier 1=Digi-Key
C14 C43: "CAP CER 4.7UF 16V X6S 0603", Dielectric=X6S, Manufacturer 1="Murata Electronics", Manufacturer Part Number 1=GRM188C81C475KE11D, Package=0603, Supplier Part Number 1=490-13362-1-ND, Voltage Rating=16V, Mounting Type=SMD, Supplier 1=Digi-Key